# KiCad board jetson-nano-baseboard.kicad_pcb (continued)
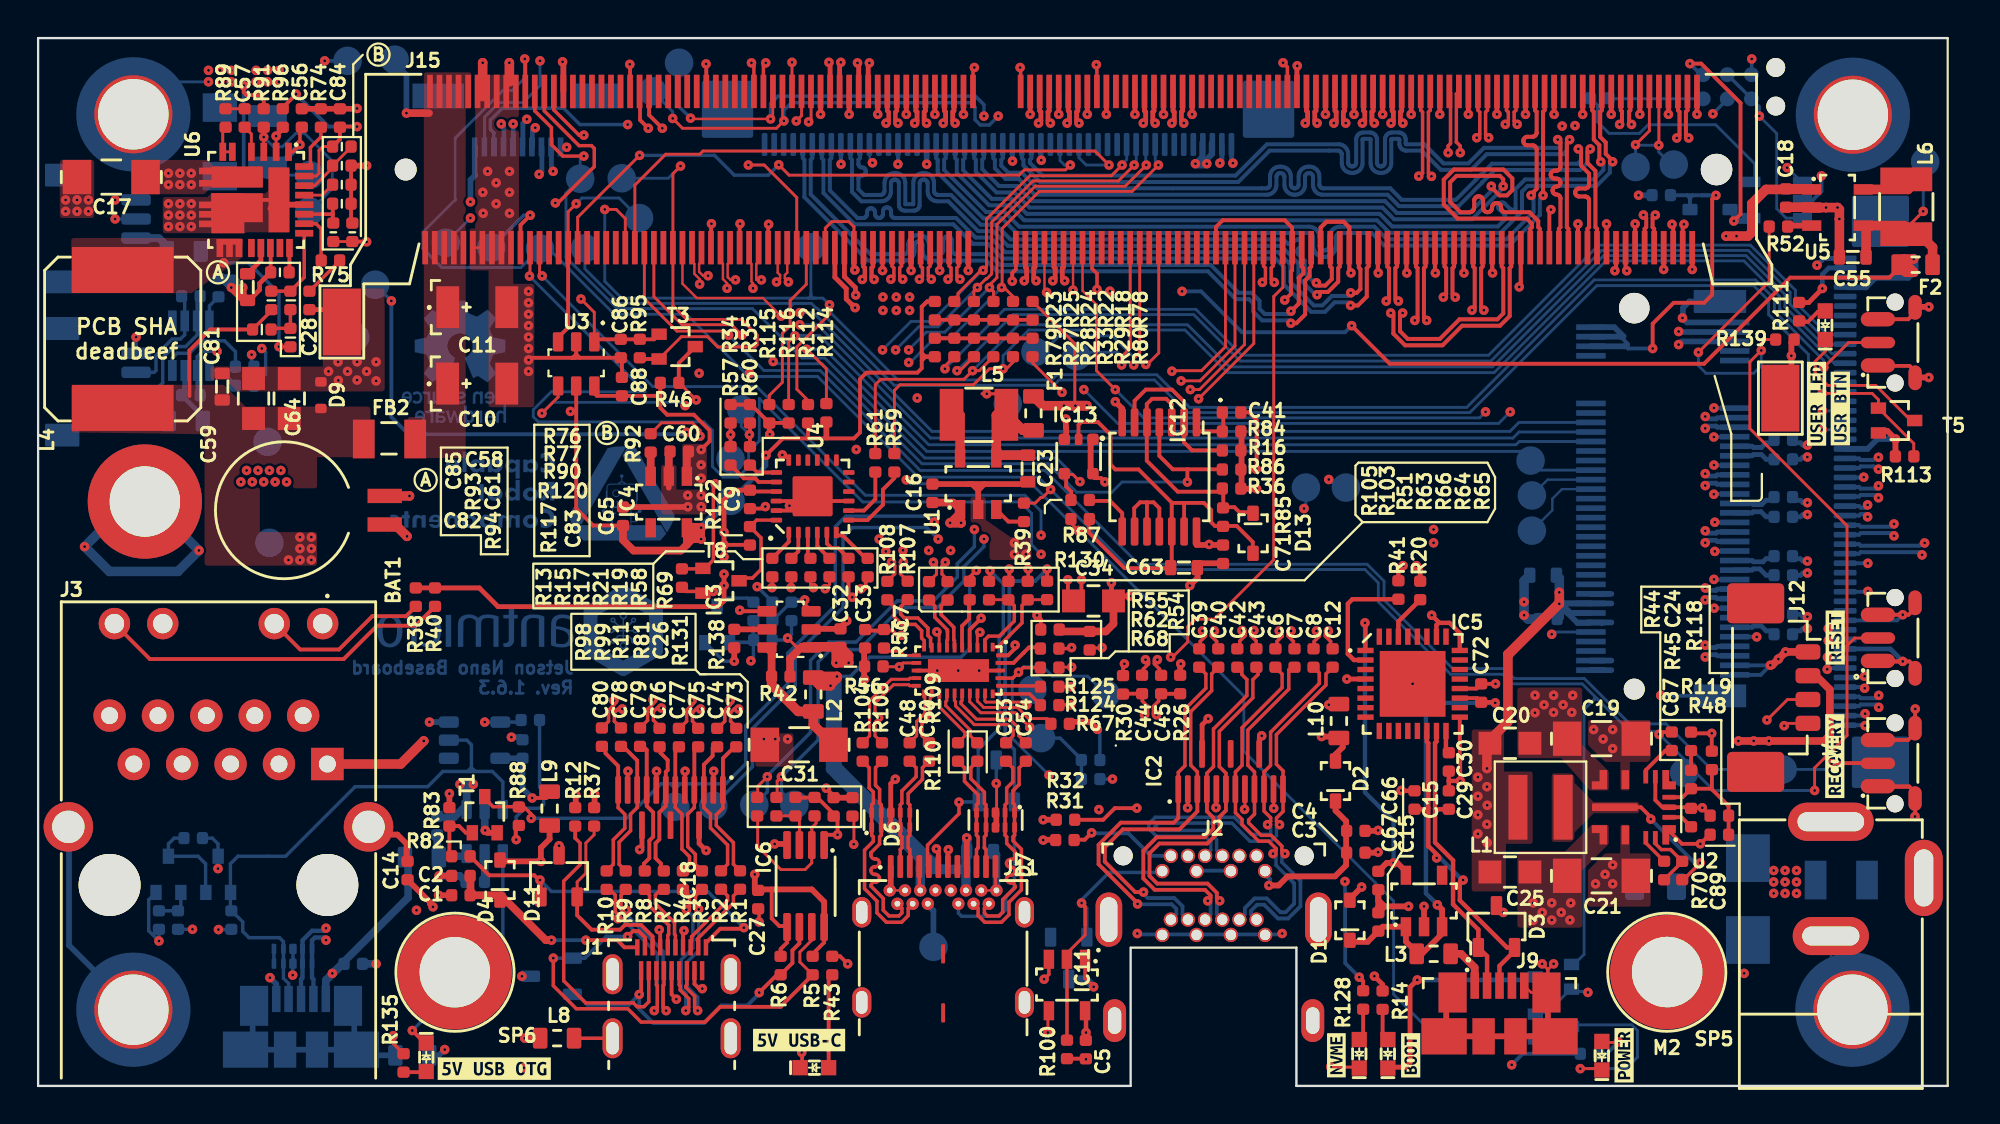
[diagram p0: board, top side]
## Routing (per net, layer and track width the routed paths; a pad name or vN(x,y) marks a point on that pad's centre or on a via; arc(x,y) is an arc through that point) (continued)
/Display/EDP_AUX_P: length 40.9
  Top w0.18: J15.92 64.32,43.03 64.42,42.94 64.42,42.34 v1(64.26,42.18) ; 58.01,21.5 58.01,21.88 58.28,22.15 58.28,22.28 58.19,22.37 v1(58.12,22.37)
  In2_SINGAL.Cu w0.125: v1(58.12,22.37) 58.31,22.56 58.31,23.29 64.44,29.42 64.44,32.91 64.44,32.95 64.43,32.98 64.41,33.02 64.38,33.04 64.34,33.07 64.31,33.08 64.27,33.08 63.5,33.08 63.41,33.09 63.33,33.12 63.25,33.17 63.19,33.23 63.14,33.31 63.11,33.39 63.1,33.48 63.1,33.53 63.11,33.62 63.14,33.71 63.19,33.78 63.25,33.85 63.33,33.89 63.41,33.92 63.5,33.93 64.27,33.93 64.31,33.94 64.34,33.95 64.38,33.97 64.41,34 64.43,34.03 64.44,34.07 64.44,34.11 64.44,34.15 64.43,34.18 64.41,34.22 64.38,34.24 64.34,34.27 64.31,34.28 64.27,34.28 63.5,34.28 63.41,34.29 63.33,34.32 63.25,34.37 63.19,34.43 63.14,34.51 63.11,34.59 63.1,34.68 63.1,34.73 63.11,34.82 63.14,34.91 63.19,34.98 63.25,35.05 63.33,35.09 63.41,35.12 63.5,35.13 64.27,35.13 64.31,35.14 64.34,35.15 64.38,35.17 64.41,35.2 64.43,35.23 64.44,35.27 64.44,35.31 64.44,35.35 64.43,35.38 64.41,35.42 64.38,35.44 64.34,35.47 64.31,35.48 64.27,35.48 63.5,35.48 63.41,35.49 63.33,35.52 63.25,35.57 63.19,35.63 63.14,35.71 63.11,35.79 63.1,35.88 63.1,35.93 63.11,36.02 63.14,36.11 63.19,36.18 63.25,36.25 63.33,36.29 63.41,36.32 63.5,36.33 64.27,36.33 64.31,36.34 64.34,36.35 64.38,36.37 64.41,36.4 64.43,36.43 64.44,36.47 64.44,36.51 64.44,36.55 64.43,36.58 64.41,36.62 64.38,36.64 64.34,36.67 64.31,36.68 64.27,36.68 63.5,36.68 63.41,36.69 63.33,36.72 63.25,36.77 63.19,36.83 63.14,36.91 63.11,36.99 63.1,37.08 63.1,37.13 63.11,37.22 63.14,37.31 63.19,37.38 63.25,37.45 63.33,37.49 63.41,37.52 63.5,37.53 64.27,37.53 64.31,37.54 64.34,37.55 64.38,37.57 64.41,37.6 64.43,37.63 64.44,37.67 64.44,37.71 64.44,37.75 64.43,37.78 64.41,37.82 64.38,37.84 64.34,37.87 64.31,37.88 64.27,37.88 63.5,37.88 63.41,37.89 63.33,37.92 63.25,37.97 63.19,38.03 63.14,38.11 63.11,38.19 63.1,38.28 63.1,38.33 63.11,38.42 63.14,38.51 63.19,38.58 63.25,38.65 63.33,38.69 63.41,38.72 63.5,38.73 64.27,38.73 64.31,38.74 64.34,38.75 64.38,38.77 64.41,38.8 64.43,38.83 64.44,38.87 64.44,38.91 64.44,38.95 64.43,38.98 64.41,39.02 64.38,39.04 64.34,39.07 64.31,39.08 64.27,39.08 63.5,39.08 63.41,39.09 63.33,39.12 63.25,39.17 63.19,39.23 63.14,39.31 63.11,39.39 63.1,39.48 63.1,39.53 63.11,39.62 63.14,39.71 63.19,39.78 63.25,39.85 63.33,39.89 63.41,39.92 63.5,39.93 64.27,39.93 64.31,39.94 64.34,39.95 64.38,39.97 64.41,40 64.43,40.03 64.44,40.07 64.44,40.11 64.44,40.15 64.43,40.18 64.41,40.22 64.38,40.24 64.34,40.27 64.31,40.28 64.27,40.28 63.5,40.28 63.41,40.29 63.33,40.32 63.25,40.37 63.19,40.43 63.14,40.51 63.11,40.59 63.1,40.68 63.1,40.73 63.11,40.82 63.14,40.91 63.19,40.98 63.25,41.05 63.33,41.09 63.41,41.12 63.5,41.13 64.27,41.13 64.31,41.14 64.34,41.15 64.38,41.17 64.41,41.2 64.43,41.23 64.44,41.27 64.44,41.31 64.44,41.99 v1(64.26,42.18)
/Display/EDP_C_AUX_C_N: length 13.8
  Top w0.18: 58.81,20.59 58.81,20.2 58.54,19.92 58.54,19.57 58.62,19.48 v1(58.7,19.48)
  Top w0.2: R26.1 59.94,20.58 C45.2
  In2_SINGAL.Cu w0.125: v1(58.7,19.48) 58.51,19.3 58.51,15.02 59.59,13.93 62.59,13.93 63.63,12.9 63.63,12.4 J2.18
/Display/EDP_C_AUX_C_P: length 13.8
  Top w0.18: 57.96,20.59 57.96,20.2 58.23,19.92 58.23,19.57 58.14,19.48 v1(58.07,19.48)
  Top w0.2: R30.1 56.96,20.59 57.94,20.59
  In2_SINGAL.Cu w0.125: 63.05,12.08 63.38,12.4 63.38,12.79 62.49,13.68 59.49,13.68 58.26,14.91 58.26,19.3 v1(58.07,19.48)
/Display/ML_C_LANE0_N: length 20.6
  Top w0.18: 60.84,15.58 60.84,16.49 60.5,16.83 60.5,19.64 61.59,20.74 61.59,21.63 C40.2
  Top w0.2: 60.84,15.58 60.84,14.41 59.9,13.47 56.93,13.47 55.98,12.52 55.98,11.77 57.58,10.17 v1(58.02,10.17)
  Bottom w0.2: v1(58.02,10.17) 58.02,10.08 58.23,9.86 59.63,9.86 60.07,9.43 60.07,9.01 60.35,8.73
/Display/ML_C_LANE0_P: length 20.2
  Top w0.18: 59.84,15.58 59.84,16.46 60.19,16.81 60.19,19.77 61.29,20.87 61.29,21.63 C39.2
  Top w0.2: 59.84,15.58 59.84,14.06 59.6,13.82 56.83,13.82 55.66,12.65 55.66,11.63 57.72,9.57 57.71,9.55 v1(57.71,9.55)
  Bottom w0.2: v1(57.71,9.55) 57.71,9.55 57.72,9.57 57.76,9.53 59.5,9.53 59.74,9.29 59.74,9.01 59.45,8.73
/Display/ML_C_LANE1_N: length 20.6
  Top w0.18: 64.03,21.98 64.03,21.6 63.76,21.32 63.76,20.37 62,18.61 62,16.76 62.34,16.41 62.34,15.58
  Top w0.2: 62.34,15.58 62.34,14.46 62.01,14.12 62.01,13.37 61.36,12.72 58.85,12.72 58.33,12.21 58.33,11.02 58.74,10.62 61.38,10.62 61.87,10.13 61.87,9.87 v1(62.02,9.72)
  Bottom w0.2: v1(62.02,9.72) 61.87,9.57 61.87,9.01 62.15,8.73
/Display/ML_C_LANE1_P: length 20.6
  Top w0.18: 61.34,15.58 61.34,16.41 61.69,16.76 61.69,18.74 63.44,20.49 63.44,21.33 63.18,21.6 63.18,21.98
  Top w0.2: 61.34,15.58 61.34,14.75 61.35,14.74 61.35,14.41 61.68,14.08 61.68,13.5 61.23,13.05 58.72,13.05 58.01,12.34 58.01,10.89 58.61,10.29 61.24,10.29 61.54,10 61.54,9.87 v1(61.39,9.72)
  Bottom w0.2: 61.25,8.73 61.54,9.01 61.54,9.57 v1(61.39,9.72)
/Display/ML_C_LANE2_N: length 19.2
  Top w0.18: 65.79,21.98 65.64,21.83 65.64,20.82 63.5,18.68 63.5,16.83 63.84,16.48 63.84,14.27 63.53,13.96 63.53,13.81 64.19,13.15 64.71,13.15 65.28,12.58 65.28,12.35 v1(65.44,12.19)
  Bottom w0.18: 65.84,11.18 65.28,11.74 65.28,12.03 v1(65.44,12.19)
  Bottom w0.2: 65.84,11.18 66.25,10.76 66.25,9.43 65.61,8.79 65.07,8.79 64.35,9.51 63.98,9.51 63.67,9.2 63.67,9.01 63.95,8.73
/Display/ML_C_LANE2_P: length 19.3
  Top w0.18: 64.93,21.98 65.29,21.62 65.29,20.91 63.19,18.81 63.19,16.83 62.84,16.48 62.84,14.33 63.19,13.99 63.19,13.72 64.07,12.85 64.59,12.85 64.97,12.46 64.97,12.35 v1(64.81,12.19)
  Bottom w0.18: v1(64.81,12.19) 64.97,12.03 64.97,11.58 65.61,10.95
  Bottom w0.2: 63.05,8.73 63.34,9.01 63.34,9.33 63.85,9.84 64.48,9.84 65.21,9.12 65.48,9.12 65.93,9.57 65.93,10.63 65.61,10.95
/Display/ML_C_LANE3_N: length 21.9
  Top w0.18: v1(65.16,13.71) 65,13.87 65,14.06 65.34,14.41 65.34,16.53 64.99,16.89 64.99,18.44 67.59,21.04 67.59,21.63 C12.2
  Bottom w0.18: 62.15,12.08 61.85,12.37 61.85,12.93 61.38,13.41 58.82,13.41 58.62,13.61 58.81,13.8 62.65,13.8 63.6,12.85 64.71,12.85 65,13.14 65,13.55 v1(65.16,13.71)
/Display/ML_C_LANE3_P: length 21.9
  Top w0.18: v1(64.53,13.71) 64.69,13.87 64.69,14.08 64.34,14.43 64.34,16.48 64.69,16.82 64.69,18.57 67.24,21.12 67.24,21.68 C8.2
  Bottom w0.18: 61.25,12.08 61.55,12.37 61.55,12.81 61.25,13.1 58.69,13.1 58.3,13.5 58.3,13.76 58.64,14.1 62.78,14.1 63.67,13.21 64.64,13.21 64.69,13.26 64.69,13.55 v1(64.53,13.71)
/Display/TMDS_C1_CLK_N: length 7.4
  Top w0.18: 30.44,15.53 30.44,14.6 30.79,14.26 30.79,13.52 30.19,12.92 30.19,11.63 R10.1
  Top w0.2: 29.78,17.86 29.78,17.46 30.44,16.79 30.44,15.53
/Display/TMDS_C1_CLK_P: length 7.3
  Top w0.18: R9.1 30.49,11.63 30.49,12.79 31.1,13.39 31.1,14.26 31.44,14.61 31.44,15.53
  Top w0.2: 31.44,15.53 31.44,17.08 30.75,17.77
/Display/TMDS_C1_D0_N: length 7
  Top w0.2: 31.71,17.88 31.94,17.64 31.94,14.7 32.28,14.36 32.28,13.07 32.08,12.87 32.08,11.95 31.79,11.67 31.79,11.28
/Display/TMDS_C1_D0_P: length 7.1
  Top w0.2: 32.67,17.88 32.67,17.48 33.04,17.1 33.04,16.58 32.94,16.48 32.94,14.7 32.61,14.36 32.61,12.94 32.41,12.74 32.41,11.95 32.69,11.67 32.69,11.28
/Display/TMDS_C1_D1_N: length 7.1
  Top w0.18: 33.44,15.53 33.44,14.61 33.79,14.27 33.79,12.43 34.19,12.03 34.19,11.63 R4.1
  Top w0.2: 33.44,15.53 33.44,17.7 33.62,17.88
/Display/TMDS_C1_D1_P: length 7.1
  Top w0.18: 34.44,15.53 34.44,14.62 34.44,14.62 34.1,14.27 34.1,12.56 34.49,12.16 34.49,11.63 R3.1
  Top w0.2: 34.44,15.53 34.44,17.74 34.58,17.88
/Display/TMDS_C1_D2_N: length 7.5
  Top w0.18: R2.1 36.19,11.64 36.19,12.64 35.29,13.54 35.29,14.27 34.94,14.61 34.94,15.53
  Top w0.2: 34.94,15.53 34.94,16.86 35.4,17.32 35.4,17.74 35.54,17.88
/Display/TMDS_C1_D2_P: length 7.3
  Top w0.18: R1.1 36.49,11.64 36.49,12.77 35.6,13.67 35.6,14.24 35.94,14.58 35.94,15.53
  Top w0.2: 35.94,15.53 35.94,17.19 36.49,17.74
/Display/TMDS_CEC: length 50.8
  Top w0.15: v1(60.91,36.07) 63.81,38.97 63.81,43.99 J15.94
  In3_SIGNAL.Cu w0.15: v1(47.24,28.71) 48.24,28.71 49.14,27.81 50.04,27.81 50.54,28.31 50.54,31.01 52.34,32.8 58.04,32.8 60.91,35.67 v1(60.91,36.07)
  Bottom w0.18: TP26.1 37.49,16.76 37.49,18.76 39.74,21.01 39.74,22.61 42.24,25.11 42.24,28.81 42.74,29.31 46.64,29.31 v1(47.24,28.71)
/Display/TMDS_CEC_IN: length 10.3
  Top w0.15: 29.18,13.64 29.18,13.18 28.75,12.75 28.75,11.16 28.29,10.71 D11.2
  Top w0.2: 32.25,7.28 32.25,7.85 31.65,8.45 30.8,8.45 30.55,8.2 29.05,8.2 28.29,8.96 D11.2
/Display/TMDS_CLK_C_N: length 9.8
  Top w0.18: 29.99,10.32 30.29,10.02 30.29,9.14 30.43,9.01 v1(30.43,8.78) ; v1(32.34,3.95) 32.5,4.11 32.5,5.25 32.45,5.3 32.45,6.05
  Bottom w0.18: v1(30.43,8.78) 30.66,8.78 32.5,6.94 32.5,4.11 v1(32.34,3.95)
/Display/TMDS_CLK_C_P: length 9.8
  Top w0.18: 32.85,6.05 32.85,5.3 32.8,5.25 32.8,4.11 v1(32.96,3.95) ; 30.89,10.32 30.6,10.02 30.6,9.27 30.64,9.22 v1(30.87,9.22)
  Bottom w0.18: v1(32.96,3.95) 32.8,4.11 32.8,7.06 30.87,8.99 v1(30.87,9.22)
/Display/TMDS_CLK_N: length 70.7
  Top w0.18: C80.1 29.94,19.14 29.94,19.72 30.22,20 v1(30.22,20.23)
  Top w0.25: v1(67.13,50.54) 67.01,50.66 67.01,51.12 67.07,51.19 J15.81
  In3_SIGNAL.Cu w0.18: v1(30.22,20.23) 30.08,20.09 29.84,20.09 29.39,20.54 29.39,21.06 29.4,21.1 29.41,21.14 29.43,21.17 29.46,21.2 29.5,21.22 29.53,21.23 29.57,21.24 29.7,21.24 29.74,21.24 29.78,21.26 29.81,21.28 29.84,21.31 29.86,21.34 29.87,21.38 29.88,21.42 29.87,21.46 29.86,21.5 29.84,21.53 29.81,21.56 29.78,21.58 29.74,21.59 29.7,21.6 29.57,21.6 29.53,21.6 29.5,21.62 29.46,21.64 29.43,21.67 29.41,21.7 29.4,21.74 29.39,21.78 29.39,27.29 29.38,27.39 29.35,27.48 29.3,27.57 29.22,27.64 29.14,27.69 29.04,27.72 28.94,27.74 28.76,27.74 28.73,27.74 28.69,27.75 28.66,27.77 28.63,27.8 28.61,27.83 28.6,27.87 28.59,27.91 28.59,27.96 28.6,28 28.61,28.03 28.63,28.07 28.66,28.09 28.69,28.11 28.73,28.13 28.76,28.13 28.94,28.13 29.04,28.14 29.14,28.18 29.22,28.23 29.3,28.3 29.35,28.39 29.38,28.48 29.39,28.58 29.39,28.69 29.38,28.79 29.35,28.88 29.3,28.97 29.22,29.04 29.14,29.09 29.04,29.12 28.94,29.14 28.76,29.14 28.73,29.14 28.69,29.15 28.66,29.17 28.63,29.2 28.61,29.23 28.6,29.27 28.59,29.31 28.59,29.36 28.6,29.4 28.61,29.43 28.63,29.47 28.66,29.49 28.69,29.51 28.73,29.53 28.76,29.53 28.94,29.53 29.04,29.54 29.14,29.58 29.22,29.63 29.3,29.7 29.35,29.79 29.38,29.88 29.39,29.98 29.39,33.51 30.79,34.91 30.79,43.28 34.44,46.93 64.73,46.93 67.13,49.33 v1(67.13,50.54)
/Display/TMDS_CLK_P: length 70.7
  Top w0.18: v1(30.66,19.79) 30.44,19.79 30.24,19.59 30.24,19.14 C78.1
  Top w0.25: v1(66.51,50.54) 66.63,50.66 66.63,51.12 66.57,51.19 J15.83
  In3_SIGNAL.Cu w0.18: v1(30.66,19.79) 30.47,19.79 30.44,19.76 30,19.76 29.97,19.79 29.72,19.79 29.09,20.41 29.09,27.26 29.08,27.3 29.07,27.33 29.05,27.37 29.02,27.39 28.99,27.41 28.95,27.43 28.92,27.43 28.74,27.43 28.64,27.44 28.54,27.48 28.46,27.53 28.38,27.6 28.33,27.69 28.3,27.78 28.29,27.88 28.29,27.99 28.3,28.09 28.33,28.18 28.38,28.27 28.46,28.34 28.54,28.39 28.64,28.42 28.74,28.44 28.92,28.44 28.95,28.44 28.99,28.45 29.02,28.47 29.05,28.5 29.07,28.53 29.08,28.57 29.09,28.61 29.09,28.66 29.08,28.7 29.07,28.73 29.05,28.77 29.02,28.79 28.99,28.81 28.95,28.83 28.92,28.83 28.74,28.83 28.64,28.84 28.54,28.88 28.46,28.93 28.38,29 28.33,29.09 28.3,29.18 28.29,29.28 28.29,29.39 28.3,29.49 28.33,29.58 28.38,29.67 28.46,29.74 28.54,29.79 28.64,29.82 28.74,29.84 28.92,29.84 28.95,29.84 28.99,29.85 29.02,29.87 29.05,29.9 29.07,29.93 29.08,29.97 29.09,30.01 29.09,33.65 30.49,35.05 30.49,43.4 34.32,47.23 64.6,47.23 66.67,49.3 66.67,50.38 v1(66.51,50.54)
/Display/TMDS_D0_C_N: length 3.6
  Top w0.18: 31.79,10.32 32.09,10.02 32.09,9.44 33.1,8.44 33.1,7.96 33.05,7.91 J1.11
/Display/TMDS_D0_C_P: length 3.6
  Top w0.18: 32.69,10.32 32.4,10.02 32.4,9.57 33.4,8.56 33.4,7.96 33.45,7.91 33.45,7.28
/Display/TMDS_D0_N: length 70.7
  Top w0.18: 31.64,18.84 31.99,19.19 31.99,19.77 32.27,20.05 v1(32.27,20.28)
  Top w0.25: J15.75 68.57,51.19 68.51,51.12 68.51,50.66 v1(68.63,50.54)
  In3_SIGNAL.Cu w0.18: v1(32.27,20.28) 30.79,21.75 30.8,21.79 30.81,21.83 30.83,21.87 30.86,21.89 30.9,21.92 30.93,21.93 30.97,21.93 31,21.93 31.04,21.94 31.08,21.95 31.11,21.97 31.14,22 31.16,22.04 31.18,22.07 31.18,22.11 31.18,22.15 31.16,22.19 31.14,22.23 31.11,22.25 31.08,22.28 31.04,22.29 31,22.29 30.97,22.29 30.93,22.3 30.9,22.31 30.86,22.33 30.83,22.36 30.81,22.4 30.8,22.43 30.79,22.47 30.8,22.51 30.81,22.55 30.83,22.59 30.86,22.61 30.9,22.64 30.93,22.65 30.97,22.65 31,22.65 31.04,22.66 31.08,22.67 31.11,22.69 31.14,22.72 31.16,22.76 31.18,22.79 31.18,22.83 31.18,22.87 31.16,22.91 31.14,22.95 31.11,22.97 31.08,23 31.04,23.01 31,23.01 30.97,23.01 30.93,23.02 30.9,23.03 30.86,23.05 30.83,23.08 30.81,23.12 30.8,23.15 30.79,23.19 30.79,24.08 30.78,24.17 30.75,24.26 30.7,24.34 30.64,24.41 30.56,24.46 30.47,24.49 30.37,24.5 30.2,24.5 30.16,24.5 30.13,24.51 30.11,24.53 30.08,24.55 30.07,24.58 30.06,24.61 30.05,24.64 30.05,24.72 30.06,24.75 30.07,24.78 30.08,24.81 30.11,24.83 30.13,24.85 30.16,24.86 30.2,24.86 30.37,24.86 30.47,24.87 30.56,24.9 30.64,24.95 30.7,25.02 30.75,25.1 30.78,25.19 30.79,25.28 30.79,25.38 30.78,25.47 30.75,25.56 30.7,25.64 30.64,25.71 30.56,25.76 30.47,25.79 30.37,25.8 30.2,25.8 30.16,25.8 30.13,25.81 30.11,25.83 30.08,25.85 30.07,25.88 30.06,25.91 30.05,25.94 30.05,26.02 30.06,26.05 30.07,26.08 30.08,26.11 30.11,26.13 30.13,26.15 30.16,26.16 30.2,26.16 30.37,26.16 30.47,26.17 30.56,26.2 30.64,26.25 30.7,26.32 30.75,26.4 30.78,26.49 30.79,26.58 30.79,33.34 31.79,34.34 31.79,42.93 34.97,46.1 65.4,46.1 68.63,49.33 v1(68.63,50.54)
/Display/TMDS_D0_P: length 70.7
  Top w0.18: v1(32.71,19.84) 32.49,19.84 32.29,19.64 32.29,19.19 32.64,18.84
  Top w0.25: v1(68.01,50.54) 68.13,50.66 68.13,51.12 68.07,51.19 J15.77
  In3_SIGNAL.Cu w0.18: v1(68.01,50.54) 68.17,50.38 68.17,49.3 65.28,46.41 34.84,46.41 31.49,43.05 31.49,34.47 30.49,33.47 30.49,26.61 30.49,26.58 30.48,26.55 30.46,26.52 30.44,26.5 30.41,26.48 30.38,26.47 30.35,26.47 30.17,26.47 30.08,26.45 29.99,26.42 29.91,26.37 29.84,26.31 29.79,26.23 29.76,26.14 29.75,26.04 29.75,25.92 29.76,25.82 29.79,25.73 29.84,25.65 29.91,25.59 29.99,25.54 30.08,25.51 30.17,25.5 30.35,25.5 30.38,25.49 30.41,25.48 30.44,25.46 30.46,25.44 30.48,25.41 30.49,25.39 30.49,25.35 30.49,25.31 30.49,25.28 30.48,25.25 30.46,25.22 30.44,25.2 30.41,25.18 30.38,25.17 30.35,25.17 30.17,25.17 30.08,25.15 29.99,25.12 29.91,25.07 29.84,25.01 29.79,24.93 29.76,24.84 29.75,24.74 29.75,24.62 29.76,24.52 29.79,24.43 29.84,24.35 29.91,24.29 29.99,24.24 30.08,24.21 30.17,24.2 30.35,24.2 30.38,24.19 30.41,24.18 30.44,24.16 30.46,24.14 30.48,24.11 30.49,24.09 30.49,24.05 30.49,21.63 31.81,20.31 31.81,20.05 32.05,19.81 32.49,19.81 32.52,19.84 v1(32.71,19.84)
/Display/TMDS_D1_C_N: length 9.4
  Top w0.18: R4.2 34.19,9.97 34.19,9.42 v1(34.03,9.26) ; 33.65,6.05 33.65,5.3 33.7,5.25 33.7,5.04 34.15,4.58 34.15,4.11 v1(33.99,3.95)
  Bottom w0.18: v1(33.99,3.95) 33.99,4.85 33.76,5.08 33.76,6.63 34.37,7.24 34.37,8.92 v1(34.03,9.26)
/Display/TMDS_D1_C_P: length 9.4
  Top w0.18: v1(34.67,9.27) 34.5,9.44 34.5,9.98 R3.2 ; 34.05,6.05 34.05,5.3 34,5.25 34,5.16 34.46,4.71 34.46,4.11 v1(34.62,3.95)
  Bottom w0.18: v1(34.62,3.95) 34.62,4.66 34.06,5.21 34.06,6.5 34.67,7.11 34.67,9.27 v1(34.67,9.27)
/Display/TMDS_D1_N: length 70.7
  Top w0.18: 33.69,18.79 34.04,19.14 34.04,19.72 34.32,20 v1(34.32,20.23)
  Top w0.25: v1(70.13,50.54) 70.01,50.66 70.01,51.12 70.07,51.19 J15.69
  In3_SIGNAL.Cu w0.18: v1(70.13,50.54) 69.97,50.38 69.97,48.62 66.75,45.4 39.75,45.4 38.81,44.46 34.71,44.46 32.69,42.44 32.69,33.64 32.09,33.04 32.09,30.22 32.1,30.19 32.11,30.16 32.13,30.13 32.15,30.11 32.18,30.09 32.21,30.08 32.24,30.08 32.42,30.08 32.52,30.07 32.61,30.03 32.69,29.98 32.75,29.92 32.8,29.83 32.84,29.74 32.85,29.65 32.85,29.53 32.84,29.44 32.8,29.35 32.75,29.27 32.69,29.2 32.61,29.15 32.52,29.12 32.42,29.11 32.24,29.11 32.21,29.1 32.18,29.09 32.15,29.07 32.13,29.05 32.11,29.02 32.1,28.99 32.09,28.96 32.09,22 33.11,20.99 33.14,20.97 33.18,20.95 33.21,20.94 33.25,20.94 33.29,20.95 33.33,20.97 33.36,20.99 33.49,21.11 33.52,21.14 33.55,21.16 33.59,21.17 33.63,21.17 33.67,21.16 33.71,21.14 33.74,21.11 33.77,21.08 33.78,21.05 33.79,21.01 33.79,20.97 33.78,20.93 33.77,20.89 33.74,20.86 33.62,20.74 33.59,20.7 33.57,20.67 33.57,20.63 33.57,20.59 33.57,20.55 33.59,20.51 33.62,20.48 33.89,20.21 34.3,20.21 v1(34.32,20.23)
/Display/TMDS_D1_P: length 70.7
  Top w0.18: 34.69,18.79 34.34,19.14 34.34,19.59 34.54,19.79 v1(34.76,19.79)
  Top w0.25: v1(69.51,50.54) 69.63,50.66 69.63,51.12 69.57,51.19 J15.71
  In3_SIGNAL.Cu w0.18: v1(34.76,19.79) 34.73,19.76 33.91,19.76 31.79,21.88 31.79,28.98 31.8,29.08 31.83,29.17 31.88,29.25 31.95,29.32 32.03,29.37 32.12,29.4 32.22,29.41 32.39,29.41 32.43,29.41 32.46,29.43 32.49,29.44 32.51,29.47 32.53,29.49 32.54,29.53 32.54,29.56 32.54,29.62 32.54,29.66 32.53,29.69 32.51,29.72 32.49,29.74 32.46,29.76 32.43,29.77 32.39,29.77 32.22,29.77 32.12,29.78 32.03,29.81 31.95,29.86 31.88,29.93 31.83,30.01 31.8,30.1 31.79,30.2 31.79,33.17 32.39,33.77 32.39,42.57 34.58,44.76 38.68,44.76 39.63,45.71 66.63,45.71 69.67,48.75 69.67,50.38 v1(69.51,50.54)
/Display/TMDS_D2_C_N: length 4
  Top w0.18: J1.5 34.25,7.59 34.3,7.63 34.3,7.84 36.19,9.73 36.19,9.97 R2.2
/Display/TMDS_D2_C_P: length 4
  Top w0.18: J1.3 34.65,7.59 34.6,7.63 34.6,7.71 36.49,9.6 36.49,9.97 R1.2
/Display/TMDS_D2_N: length 70.8
  Top w0.18: v1(36.32,20.23) 36.32,20 36.04,19.72 36.04,19.14 35.69,18.79
  Top w0.25: v1(71.63,50.54) 71.51,50.66 71.51,51.12 71.57,51.19 J15.63
  In3_SIGNAL.Cu w0.18: v1(36.32,20.23) 36.18,20.09 36.07,20.09 35.65,20.51 35.62,20.55 35.61,20.58 35.6,20.62 35.6,20.66 35.61,20.7 35.62,20.74 35.65,20.77 35.74,20.86 35.76,20.89 35.78,20.92 35.79,20.96 35.79,21 35.78,21.04 35.76,21.08 35.74,21.11 35.71,21.14 35.67,21.15 35.63,21.16 35.59,21.16 35.55,21.15 35.51,21.14 35.48,21.11 35.39,21.02 35.36,21 35.33,20.98 35.29,20.97 35.25,20.97 35.21,20.98 35.17,21 35.14,21.02 33.49,22.67 33.49,24.95 33.5,24.97 33.5,24.99 33.51,25.01 33.53,25.03 33.55,25.04 33.57,25.05 33.59,25.05 33.76,25.05 33.85,25.06 33.93,25.09 34,25.13 34.06,25.19 34.1,25.26 34.13,25.34 34.14,25.42 34.14,25.64 34.13,25.73 34.1,25.8 34.06,25.88 34,25.94 33.93,25.98 33.85,26.01 33.76,26.02 33.59,26.02 33.57,26.02 33.55,26.03 33.53,26.04 33.51,26.05 33.5,26.07 33.5,26.09 33.49,26.11 33.49,41.74 35.1,43.35 38.8,43.35 40.1,44.65 67.45,44.65 71.47,48.67 71.47,50.38 v1(71.63,50.54)
/Display/TMDS_D2_P: length 70.8
  Top w0.18: 36.69,18.79 36.34,19.14 36.34,19.59 36.54,19.79 v1(36.76,19.79)
  Top w0.25: v1(71.01,50.54) 71.13,50.66 71.13,51.12 71.07,51.19 J15.65
  In3_SIGNAL.Cu w0.18: v1(36.76,19.79) 36.57,19.79 36.54,19.76 36.1,19.76 36.07,19.79 35.95,19.79 33.19,22.54 33.19,24.98 33.2,25.06 33.23,25.14 33.27,25.21 33.33,25.27 33.4,25.32 33.48,25.34 33.57,25.35 33.74,25.35 33.76,25.36 33.78,25.36 33.8,25.37 33.81,25.39 33.83,25.41 33.83,25.43 33.84,25.45 33.84,25.62 33.83,25.64 33.83,25.66 33.81,25.68 33.8,25.69 33.78,25.7 33.76,25.71 33.74,25.71 33.57,25.71 33.48,25.72 33.4,25.75 33.33,25.79 33.27,25.85 33.23,25.93 33.2,26.01 33.19,26.09 33.19,41.87 34.98,43.66 38.68,43.66 39.98,44.96 67.33,44.96 71.17,48.8 71.17,50.38 v1(71.01,50.54)
/Display/TMDS_HPD_IN: length 19.4
  Top w0.18: v1(26.34,10.81) 26.39,10.76 D11.1
  Top w0.2: 35.05,7.28 35.05,7.5 35.8,8.25 36.99,8.25 v1(37.04,8.31) ; R82.2 23.68,11.06 26.04,11.06 26.29,10.81 v1(26.34,10.81)
  Bottom w0.18: v1(37.04,8.31) 35.14,10.21 26.94,10.21 v1(26.34,10.81)
/Display/TMDS_SCL: length 46.7
  Top w0.15: J15.100 62.32,38.8 61.06,37.54 59.53,37.54 v1(59.51,37.52) ; v1(38.28,16.23) 37.77,15.72 37.77,15.14
  In3_SIGNAL.Cu w0.15: v1(49.14,29.21) 49.34,29.41 49.34,31.3 51.95,33.91 57.24,33.91 59.44,36.11 59.44,37.45 v1(59.51,37.52)
  Bottom w0.18: v1(49.14,29.21) 49.14,28.31 48.24,27.41 48.24,26.71 46.99,25.46 45.09,25.46 42.93,23.3 41.5,23.3 40.54,22.34 40.54,18.56 38.28,16.29 v1(38.28,16.23) 38.28,15.44 TP33.1
/Display/TMDS_SCL_5V0: length 26
  Top w0.15: R5.2 39.98,6.5 39.98,7.03 40.61,7.65 40.61,8.39
  Top w0.18: v1(27.04,6.71) 27.04,5.26 28.25,4.05 30.95,4.05 31.65,3.35 35,3.35
  Top w0.2: 35,3.35 35.8,4.15 38.97,4.15 R5.2 ; J1.17 31.85,7.79 31.51,8.13 31.22,8.13 v1(30.94,7.84)
  Bottom w0.18: v1(27.04,6.71) D10.1
  Bottom w0.2: v1(30.94,7.84) 29.82,7.84 28.69,6.71 D10.1
/Display/TMDS_SDA: length 46.3
  Top w0.15: J15.98 62.82,38.84 60.98,37.01 v1(59.99,37.01) ; v1(39.01,16.23) 38.79,16.01 38.79,15.14
  In3_SIGNAL.Cu w0.15: v1(49.64,28.71) 49.69,28.76 49.69,31.16 52.04,33.51 57.43,33.51 59.94,36.02 59.94,36.96 v1(59.99,37.01)
  Bottom w0.18: v1(49.64,28.71) 49.64,28.31 48.59,27.25 48.59,26.5 47.19,25.11 45.29,25.11 43.09,22.91 41.59,22.91 40.94,22.26 40.94,18.16 v1(39.01,16.23) 39.01,15.44 TP34.1
/Display/TMDS_SDA_5V0: length 17.7
  Top w0.2: 31.65,6.05 31.65,4.9 v1(31.55,4.8) ; v1(37.85,4.9) 38.78,5.83 R6.2 39.59,6.45 39.59,7.12 39.96,7.48 IC6.6
  Bottom w0.2: D10.2 28.29,4.81 28.84,4.26 31.01,4.26 v1(31.55,4.8) 31.55,4.03 32.28,3.3 34.95,3.3 35.88,4.23 37.23,4.23 37.85,4.85 v1(37.85,4.9)
/ID Serial/EEPROM_PWR: length 12.4
  Top w0.2: v1(89,45.4) 89.35,45.75 89.35,51.6 87.29,53.66 v1(86.7,53.66)
  Bottom w0.2: v1(86.7,53.66) 87.27,53.08 TP30.1
  Bottom w0.3: 88.81,46 89,45.81 v1(89,45.4) 89.75,45.4 IC17.4
/ID Serial/SN_WP: length 11.9
  Bottom w0.15: R132.2 81.85,51.47 81.85,50.6 82.45,50 84.05,50 84.5,50.45 88.05,50.45 90.1,48.4 90.1,47.45
/Interfaces/C_PCIE0_TX0_N: length 2.2
  Bottom w0.25: J8.47 89.96,33.07 90.02,33.14 90.45,33.14 90.7,32.89 91.12,32.89
/Interfaces/C_PCIE0_TX0_P: length 2.2
  Bottom w0.25: J8.49 89.96,33.57 90.02,33.51 90.45,33.51 90.7,33.76 91.12,33.76
/Interfaces/C_PCIE0_TX1_N: length 2.2
  Bottom w0.25: 91.12,29.87 90.7,29.87 90.43,30.14 90.02,30.14 89.96,30.07 89.05,30.07
/Interfaces/C_PCIE0_TX1_P: length 2.2
  Bottom w0.25: 89.05,30.57 89.96,30.57 90.02,30.51 90.47,30.51 90.7,30.74 91.12,30.74
/Interfaces/C_PCIE0_TX2_N: length 2.2
  Bottom w0.25: 91.12,26.8 90.7,26.8 90.36,27.14 90.02,27.14 89.96,27.07 89.05,27.07
/Interfaces/C_PCIE0_TX2_P: length 2.2
  Bottom w0.25: 91.12,27.68 90.7,27.68 90.53,27.51 90.02,27.51 89.96,27.57 89.05,27.57
/Interfaces/C_PCIE0_TX3_N: length 2.2
  Bottom w0.25: 91.12,23.88 90.7,23.88 90.44,24.14 90.02,24.14 89.96,24.08 89.05,24.08
/Interfaces/C_PCIE0_TX3_P: length 2.2
  Bottom w0.25: 91.12,24.76 90.7,24.76 90.45,24.51 90.02,24.51 89.96,24.57 89.05,24.57
/Interfaces/CANH: length 7.3
  Bottom w0.18: R123.1 8.34,41.29 8.34,39.41 7.74,38.81 7.12,38.81 6.54,38.23 6.54,36.91 6.09,36.46 5.14,36.46
/Interfaces/CANL: length 5.9
  Bottom w0.18: R123.2 7.69,41.29 U7.6 7.69,39.43 7.47,39.21 7.04,39.21 6.19,38.36 6.19,37.56 6.09,37.46 J13.3
/SoM/PMIC_BBAT: length 29.6
  Top w0.18: v1(27.15,46.35) 27.28,46.35 29.19,48.26 29.19,49.21 29.04,49.36 28.39,49.36 26.57,51.18 26.57,52.2
  Top w0.5: BAT1.+ v1(19.49,30.97)
  In3_SIGNAL.Cu w0.2: v1(27.15,46.35) 27.15,45.01 23.44,41.31 23.44,32.31 22.1,30.97 v1(19.49,30.97)
/Supply/\~{PWR_SET}: length 2.9
  Top w0.2: IC12.1 60.8,34.36 62.2,34.36 62.2,35.36
/Supply/FAN_PMW_5V: length 81.4
  Top w0.15: v1(91.64,18.91) 91.77,19.03 92.89,19.03 ; v1(26.44,35.31) 27.29,36.16 27.29,36.36
  In3_SIGNAL.Cu w0.15: v1(73.24,28.51) 73.84,27.91 79.74,27.91 88.99,18.66 91.39,18.66 v1(91.64,18.91)
  In5_3V3_SYS_SIGNAL.Cu w0.125: v1(73.24,28.51) 68.74,33.01 52.14,33.01 51.59,33.56 51.59,38.06 50.24,39.41 43.94,39.41 39.89,35.36 34.31,35.36 v1(33.96,35.71)
  Bottom w0.15: v1(33.96,35.71) 33.78,35.88 27.02,35.88 v1(26.44,35.31)
/Supply/FAN_TACH_5V: length 75
  Top w0.15: J12.3 91.82,20.28 v1(90.74,19.21) ; v1(34.54,36.01) 33.63,36.92 33.63,37.01
  Top w0.2: 33.63,37.01 33.63,37.94 T3.3
  In3_SIGNAL.Cu w0.15: v1(90.74,19.21) 88.94,19.21 79.94,28.21 74.24,28.21 v1(73.24,29.21)
  In5_3V3_SYS_SIGNAL.Cu w0.125: v1(34.54,36.01) 40,36.01 43.69,39.71 50.34,39.71 51.89,38.16 51.89,33.71 52.29,33.31 68.84,33.31 72.94,29.21 v1(73.24,29.21)
/Supply/Q: length 12.9
  Top w0.2: 59.5,34.83 59.5,35.77 59.2,36.07 58.47,36.07 58.19,35.79 58.19,34.84 IC12.5 58.19,34.82 58.19,32.82 59.81,31.19 62.03,31.19 62.2,31.37 62.2,30.37 62.23,30.35 62.26,30.38 62.79,30.38 63.05,30.11 63.75,30.11
/Supply/QDEL: length 24.9
  Top w0.2: 59.5,30.62 57.76,32.36 56.54,32.36 56.28,32.61 56.28,34.19 55.62,34.85 54.76,34.85 54.61,34.7 54.61,34 ; 59.5,30.62 59.5,27.45 59.23,27.18 57.02,27.18 55.14,29.06 55.14,29.67 55.16,29.69 ; 59.5,30.62 59.51,30.6 60.15,30.6 ; 60.15,29.13 60.15,30.6 ; 60.15,30.6 61.19,30.6 61.57,30.23 61.57,29.59 61.77,29.39 62.91,29.39 63.75,28.55 63.75,28
/Supply/VDRV_5V_DCDC: length 1.6
  Top w0.25: 10.99,42.63 11.69,43.33 U6.16
/USB/C_CC1: length 21.8
  Top w0.18: v1(51.97,27.13) 51.97,26.51 51.94,26.48 ; v1(49.96,27.05) 49.96,26.53 49.91,26.48 ; 46.75,11.51 46.68,11.58 46.68,12.64 48.33,14.29 v1(48.33,14.89)
  In2_SINGAL.Cu w0.18: v1(51.97,27.13) 51.34,26.5 50.51,26.5 v1(49.96,27.05)
  Bottom w0.18: v1(48.33,14.89) 48.34,14.91 D5.2 49.34,17.66 50.44,18.75 50.44,23.52 50.66,23.74 50.66,26.35 v1(49.96,27.05)
/USB/C_CC2: length 25.5
  Top w0.2: v1(50.98,27.13) 50.98,26.53 50.92,26.48 ; 52.96,26.49 v1(52.96,27.13)
  Bottom w0.18: 51.02,17.88 51.24,17.66 D5.1 51.24,10.36 50.79,9.91 50.79,9.26 50.44,8.91 48.47,8.91 48.3,9.07 J11.B5
  Bottom w0.2: 51.24,26.5 52.33,26.5 v1(52.96,27.13) ; 51.24,26.5 51.1,26.5 50.98,26.37 ; 51.24,26.5 51.11,26.5 50.98,26.64 ; 50.98,26.64 v1(50.98,27.13) ; 50.98,26.64 50.98,26.37 ; 50.98,26.37 50.98,23.61 50.76,23.39 50.76,18.14 51.02,17.88